# Altium PCB carrier.PcbDoc (part 1 of 3)
Units mm, origin at the board's own origin, x right, y up, seen from the top; angles counter-clockwise.
Board outline 140 x 87 mm, 4 copper layers (Component Side, Power_layer1, Power_layer2, Solder Side), stack 1.674 mm thick; 380 components, 432 nets, 1873 pads, 238 vias.
Unrouted connection lines stored in the file: 867.
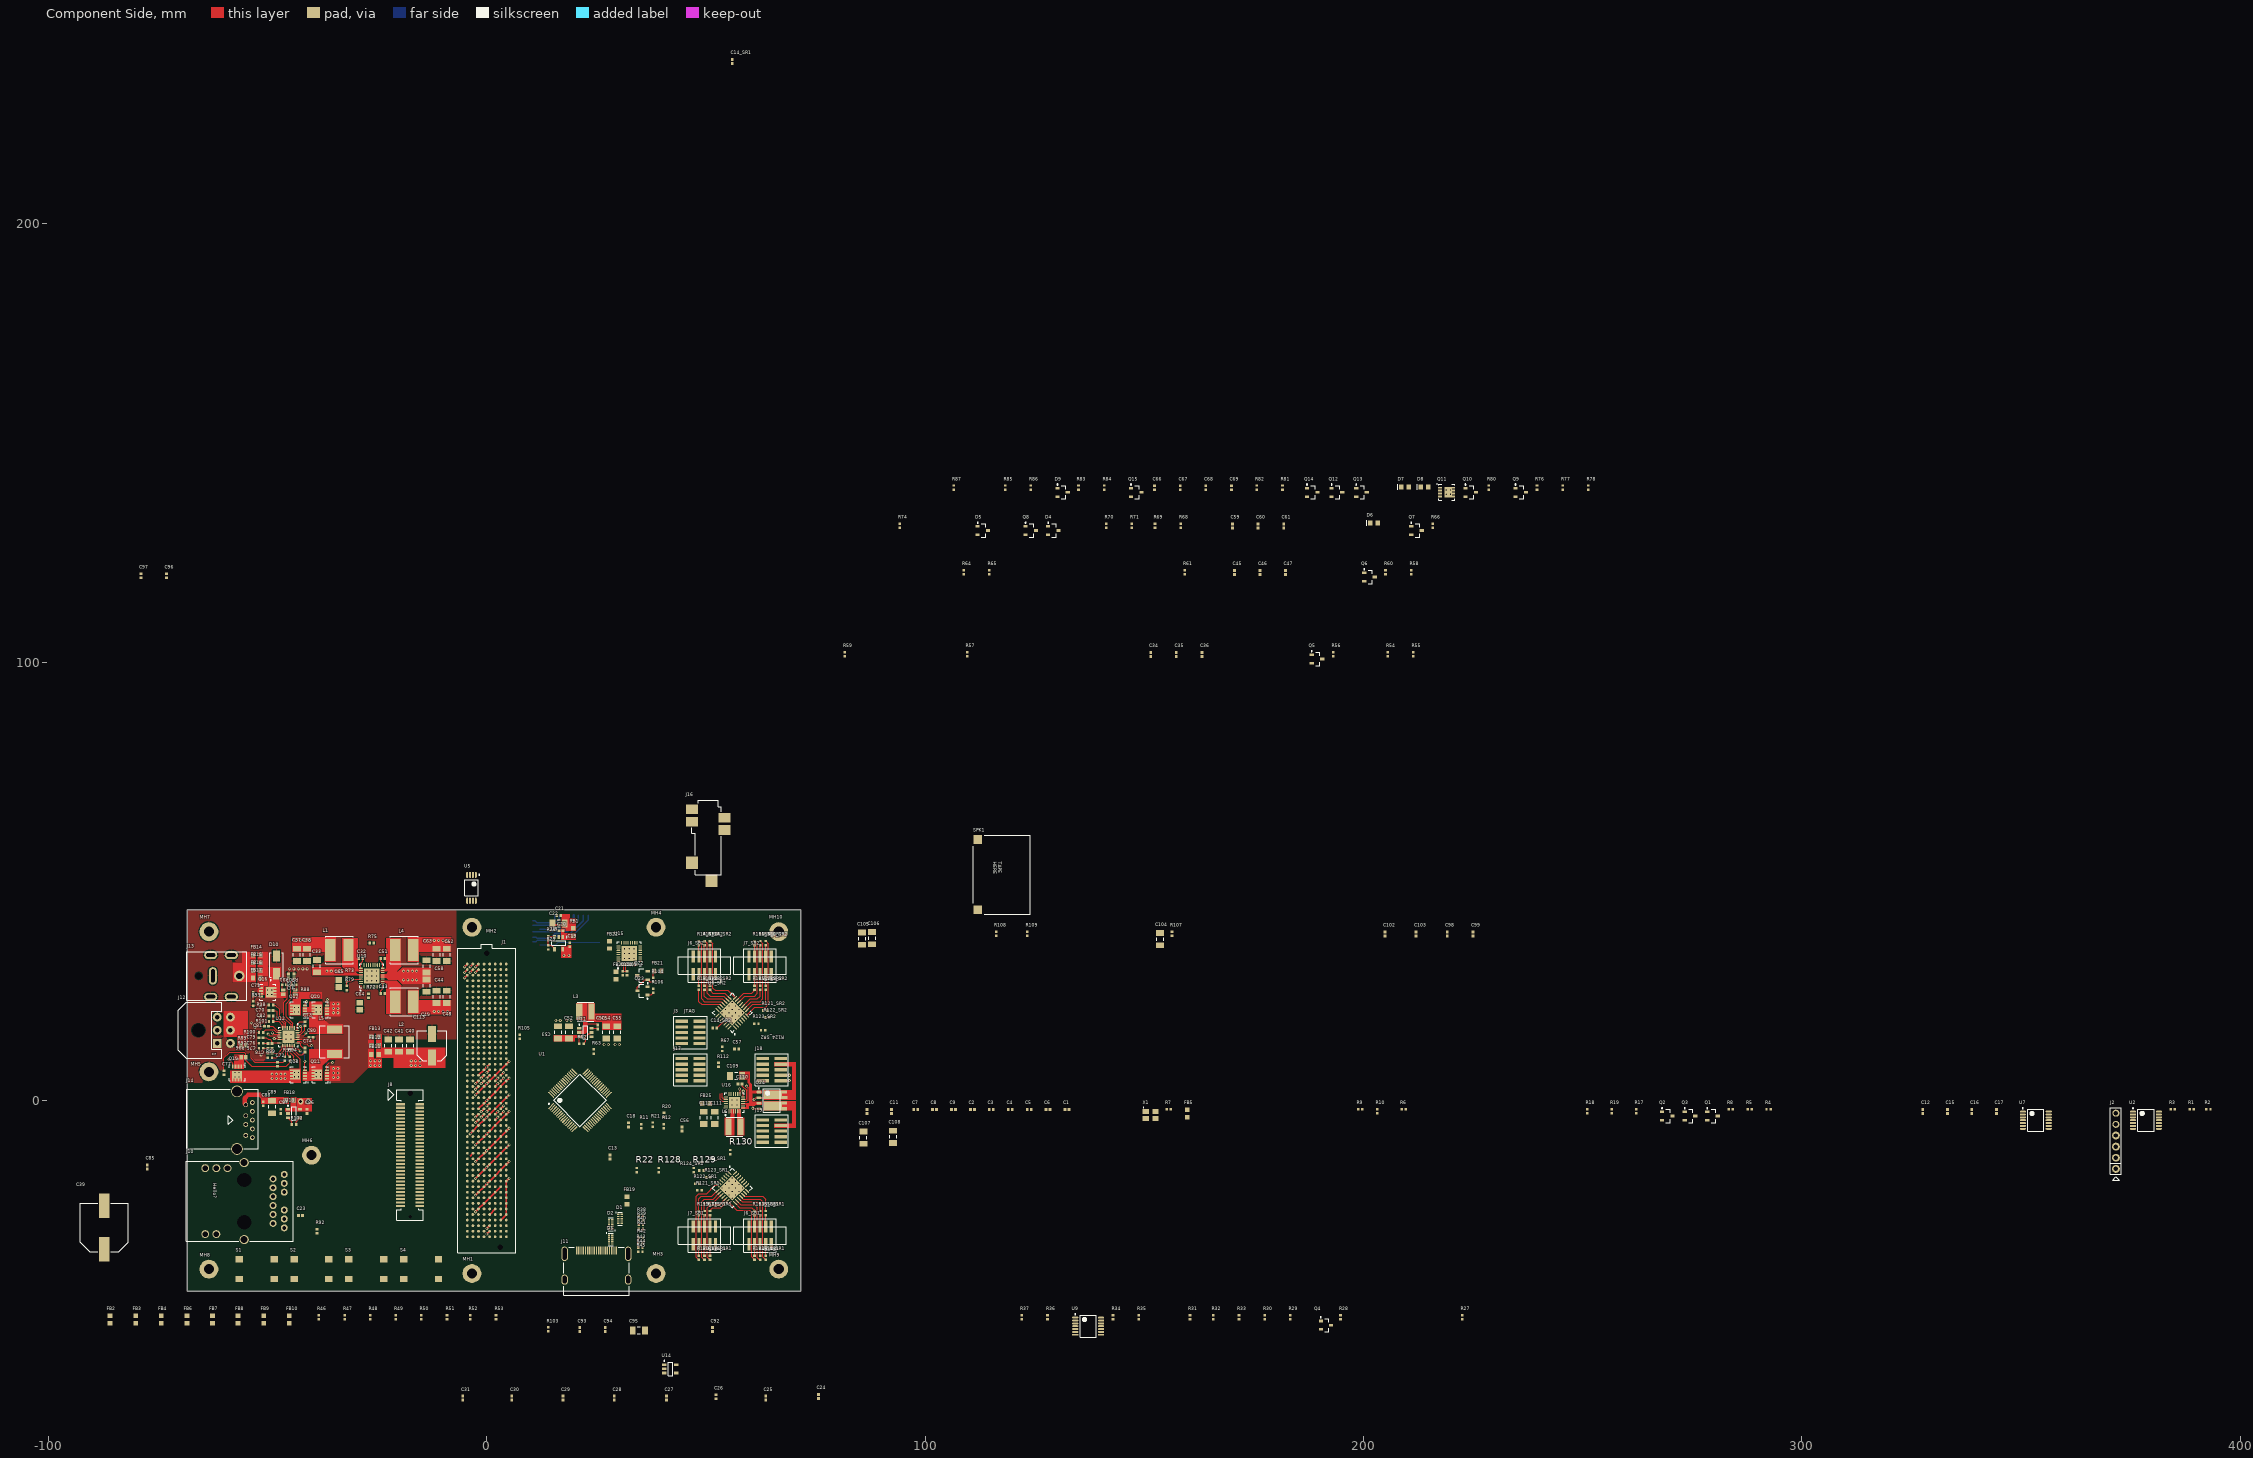
[diagram p0: Component Side view]
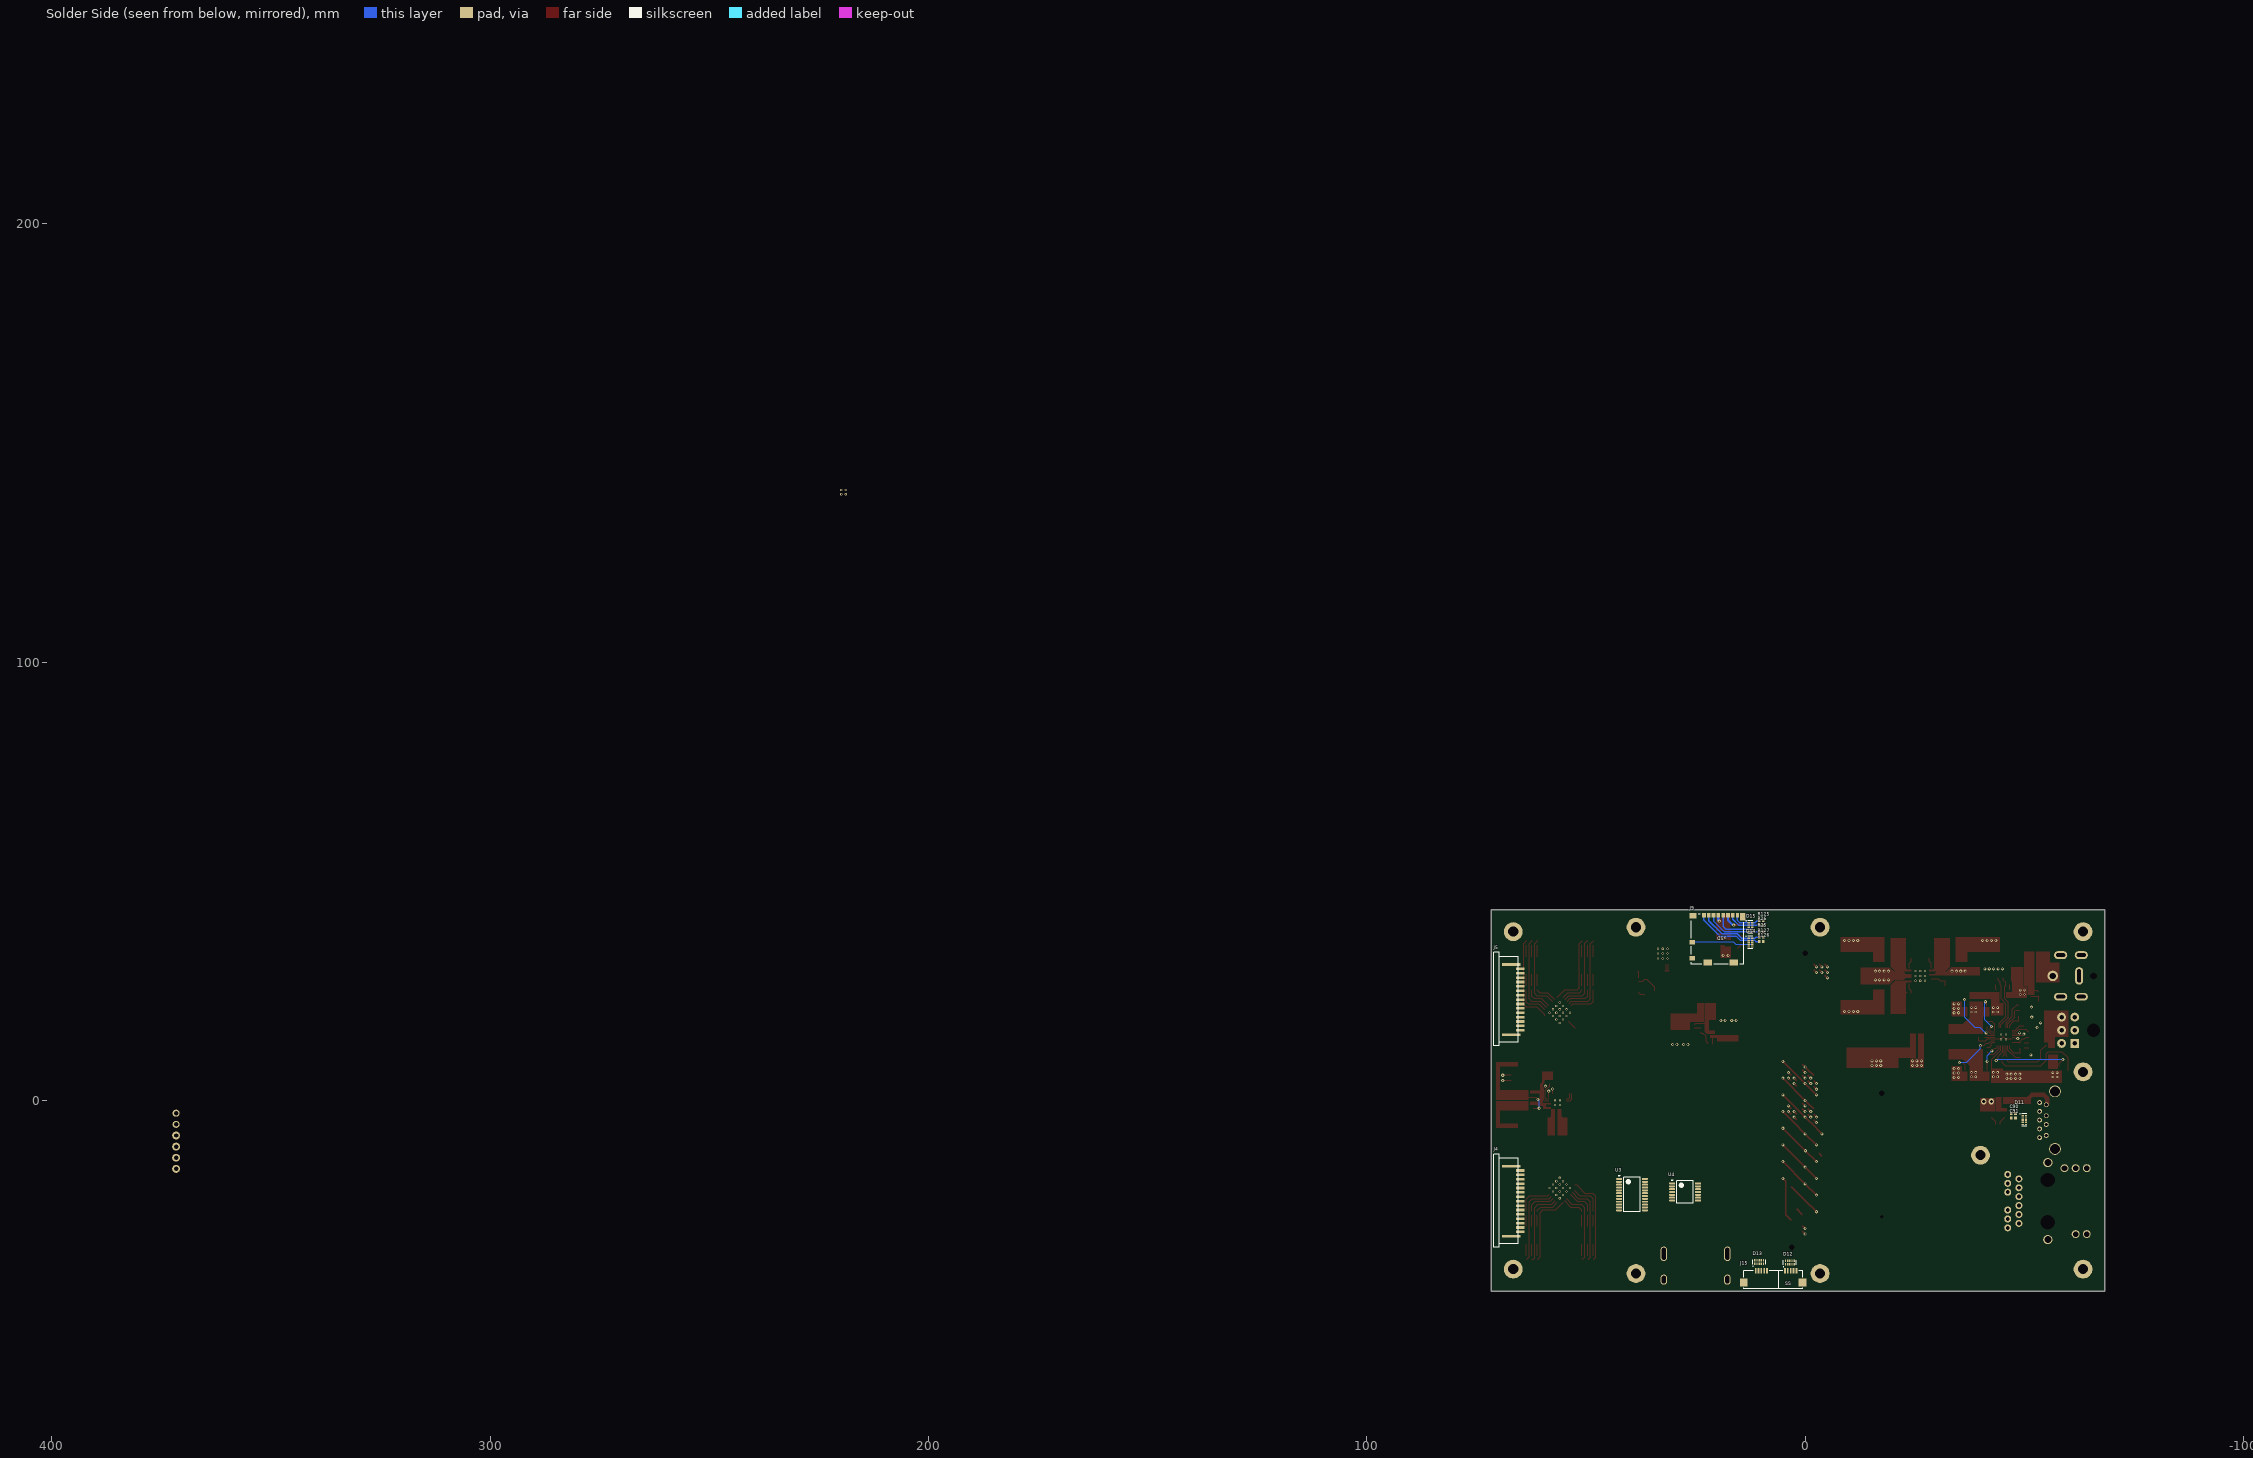
[diagram p1: Solder Side view, seen from below]
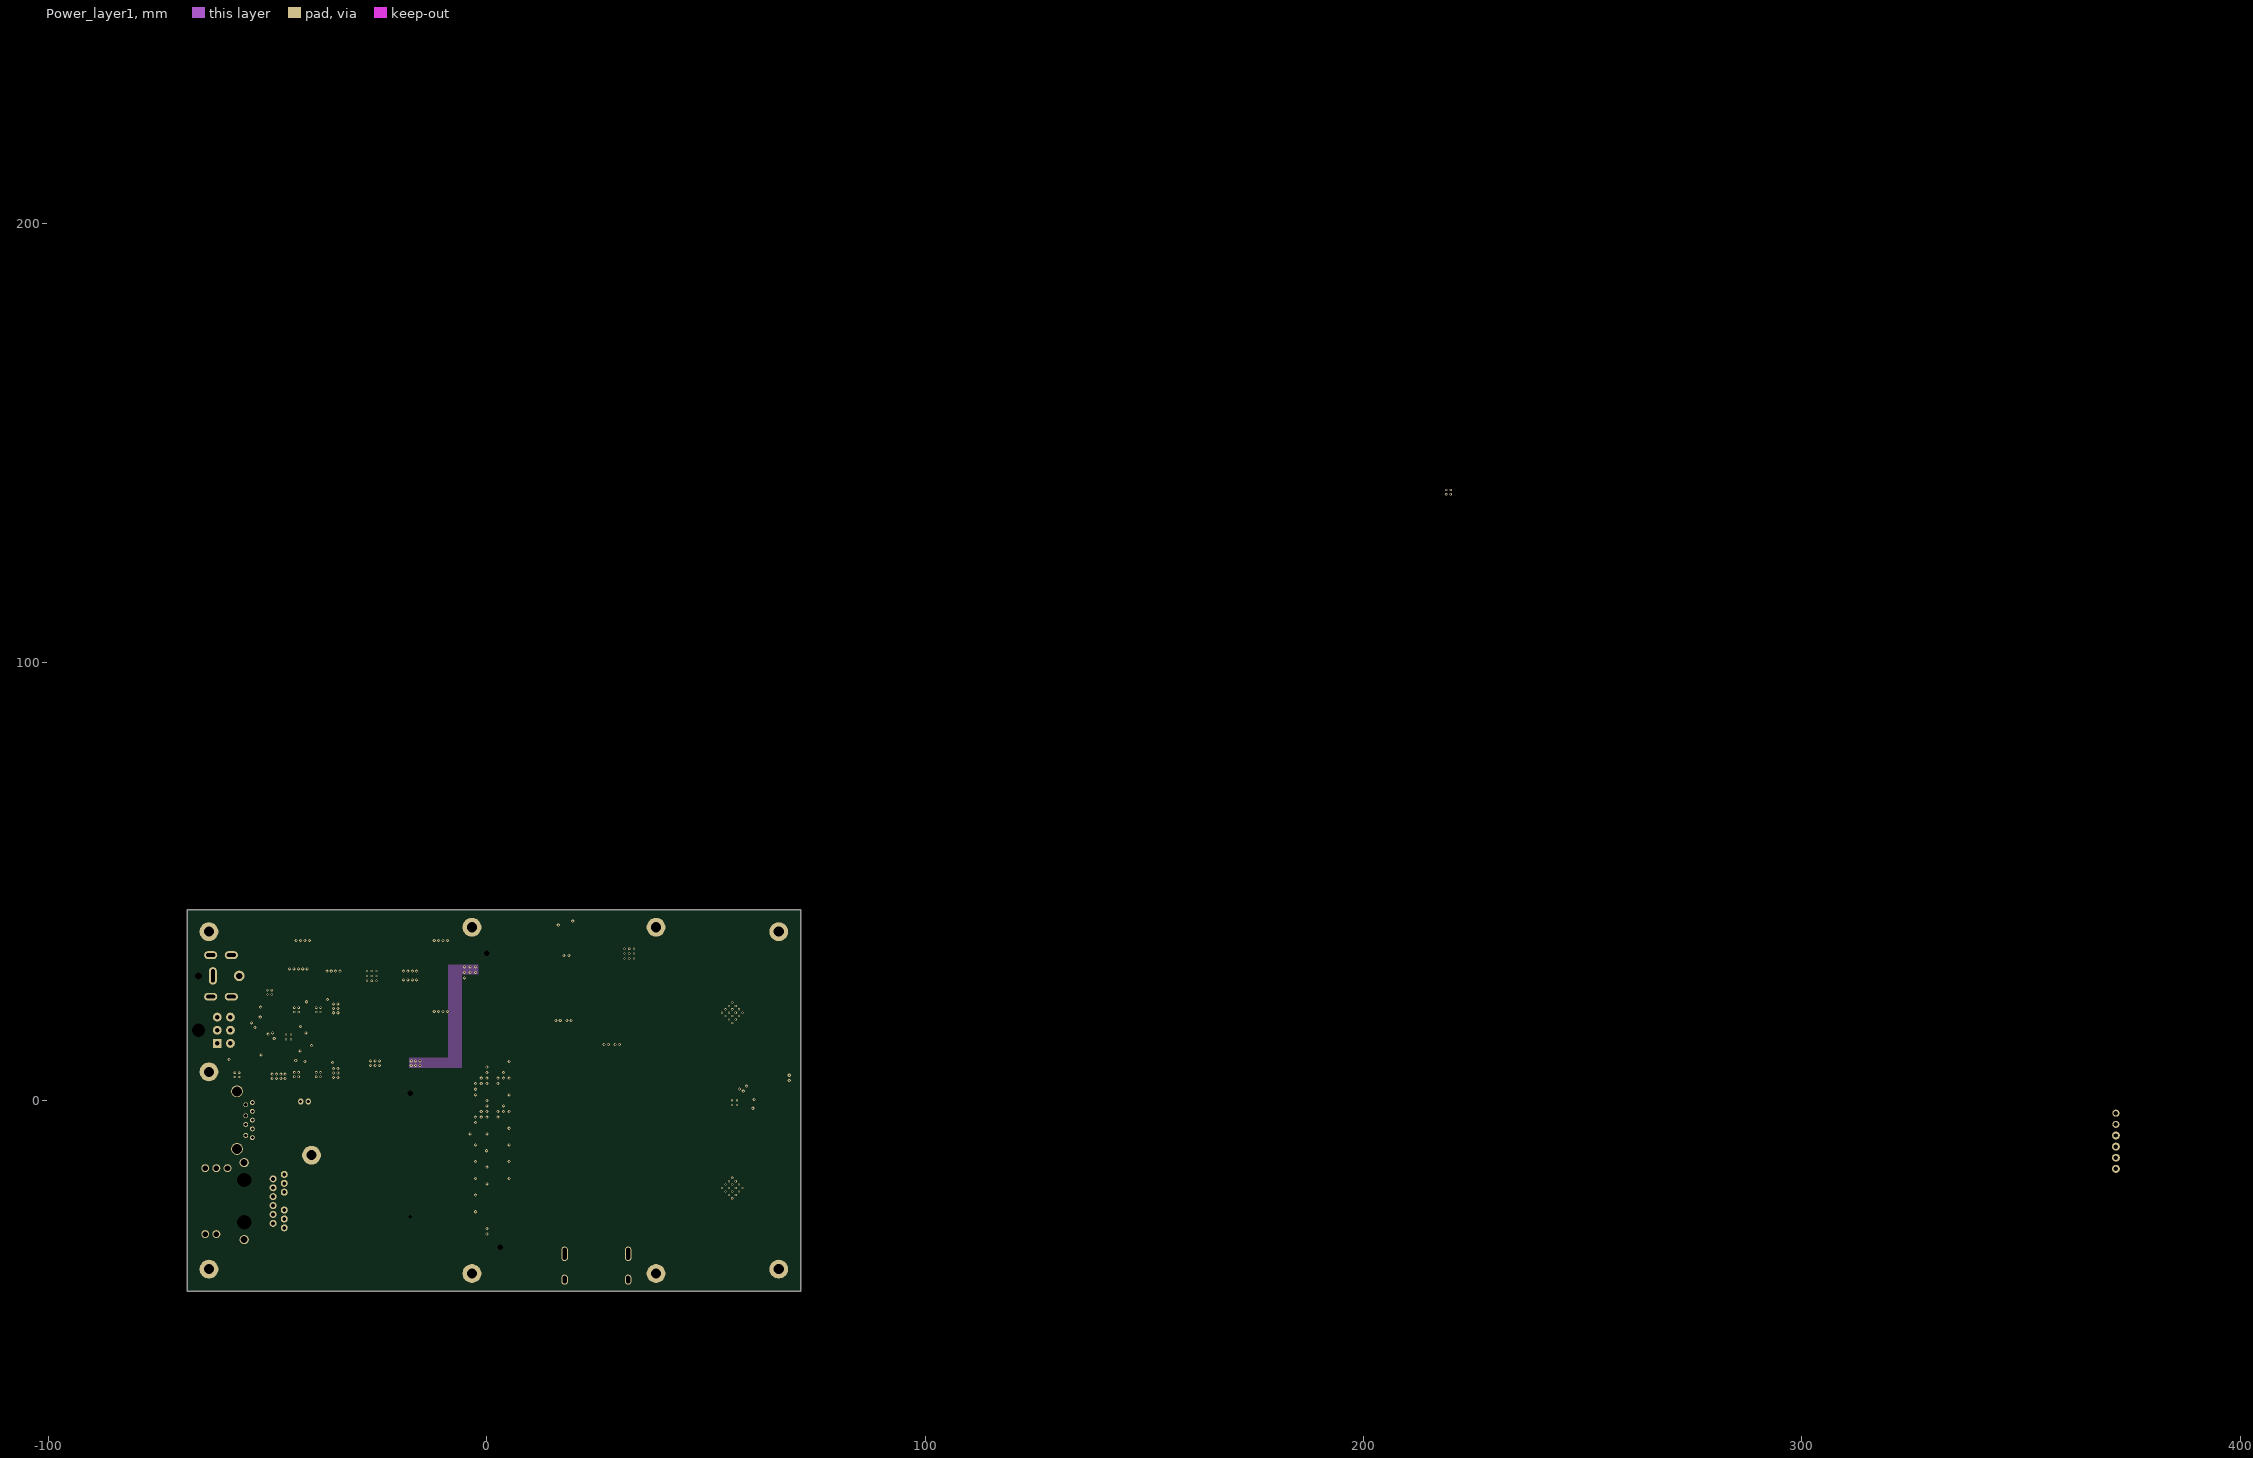
[diagram p2: Power_layer1]
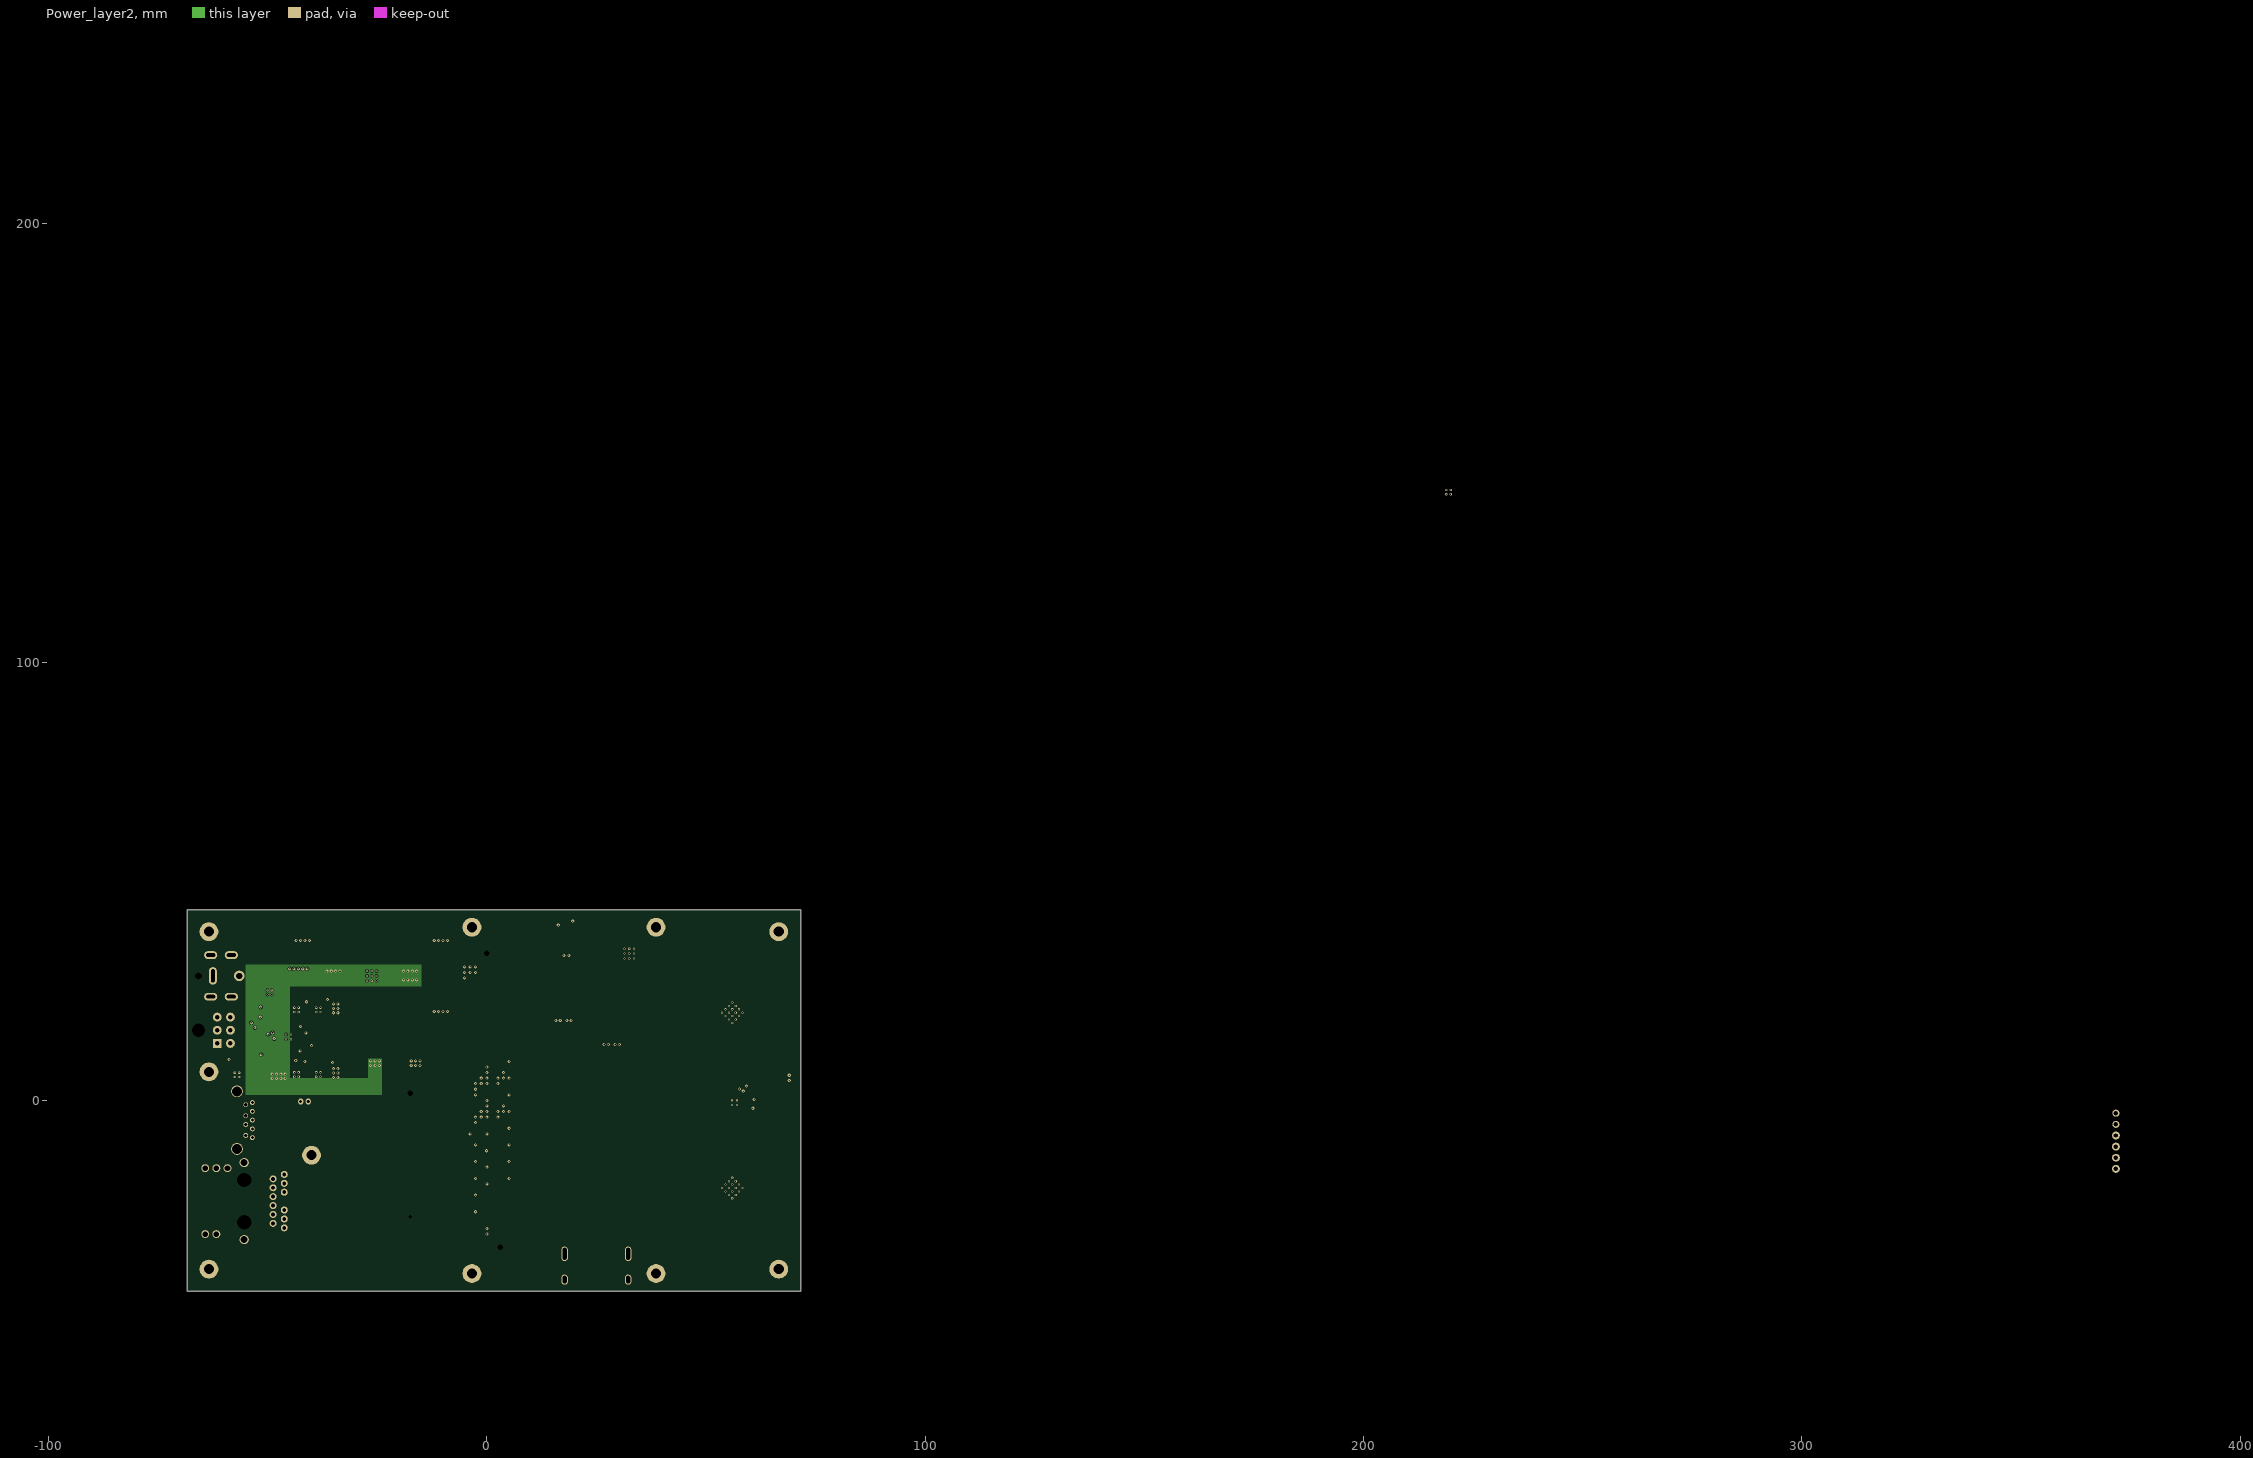
[diagram p3: Power_layer2]

## Layer stack, top to bottom
Top Solder: solder mask 0.0102, Solder Resist, Dk 3.5
Component Side: signal copper 0.035
Dielectric 1: prepreg 0.1702, FR-4, Dk 3.66
Power_layer1: signal copper 0.035
Dielectric 4: core 1.1938, FR-4, Dk 3.66
Power_layer2: signal copper 0.035
Dielectric 3: prepreg 0.1702, FR-4, Dk 3.66
Solder Side: signal copper 0.035
Bottom Solder: solder mask 0.0102, Solder Resist, Dk 3.5

## Board outline
-68.4,-43.5 71.6,-43.5 71.6,43.5 -68.4,43.5

## Design rules (kind name [scope] priority, off if disabled: settings)
Clearance [All] p1: gap=0.127 ignorepadtopadclearanceinfootprint=FALSE
DiffPairsRouting DiffPairsRouting_hdmi [InDifferentialPairClass('hdmi_diff95')] p1: maxlimit=0.254 minlimit=0.152 mostfreqgap=0.241 toplayer_minwidth=0.152 toplayer_maxwidth=0.254 toplayer_prefwidth=0.246 midlayer1_minwidth=0.152 midlayer1_maxwidth=0.254 midlayer1_prefwidth=0.246 midlayer2_minwidth=0.152 midlayer2_maxwidth=0.254 midlayer2_prefwidth=0.246 bottomlayer_minwidth=0.152 bottomlayer_maxwidth=0.254 bottomlayer_prefwidth=0.246 maxuncoupledlength=12.7
DiffPairsRouting DiffPairsRouting_usb3 [InDifferentialPairClass('usb_diff100')] p2: maxlimit=0.254 minlimit=0.127 mostfreqgap=0.178 toplayer_minwidth=0.127 toplayer_maxwidth=0.381 toplayer_prefwidth=0.254 midlayer1_minwidth=0.127 midlayer1_maxwidth=0.381 midlayer1_prefwidth=0.254 midlayer2_minwidth=0.127 midlayer2_maxwidth=0.381 midlayer2_prefwidth=0.254 bottomlayer_minwidth=0.127 bottomlayer_maxwidth=0.381 bottomlayer_prefwidth=0.254 maxuncoupledlength=12.7
DiffPairsRouting DiffPairsRouting_mdi [All] p3: maxlimit=0.508 minlimit=0.152 mostfreqgap=0.178 toplayer_minwidth=0.152 toplayer_maxwidth=0.508 toplayer_prefwidth=0.33 midlayer1_minwidth=0.152 midlayer1_maxwidth=0.508 midlayer1_prefwidth=0.33 midlayer2_minwidth=0.152 midlayer2_maxwidth=0.508 midlayer2_prefwidth=0.33 bottomlayer_minwidth=0.152 bottomlayer_maxwidth=0.508 bottomlayer_prefwidth=0.33 maxuncoupledlength=12.7
DiffPairsRouting DiffPairsRouting_csi [InDifferentialPairClass('csi_diff100')] p4: maxlimit=0.254 minlimit=0.152 mostfreqgap=0.178 toplayer_minwidth=0.152 toplayer_maxwidth=0.381 toplayer_prefwidth=0.33 midlayer1_minwidth=0.152 midlayer1_maxwidth=0.381 midlayer1_prefwidth=0.33 midlayer2_minwidth=0.152 midlayer2_maxwidth=0.381 midlayer2_prefwidth=0.33 bottomlayer_minwidth=0.152 bottomlayer_maxwidth=0.381 bottomlayer_prefwidth=0.33 maxuncoupledlength=12.7
DiffPairsRouting DiffPairsRouting_usb2 [InDifferentialPairClass('usb_diff90')] p5: maxlimit=0.254 minlimit=0.127 mostfreqgap=0.152 toplayer_minwidth=0.127 toplayer_maxwidth=0.381 toplayer_prefwidth=0.343 midlayer1_minwidth=0.127 midlayer1_maxwidth=0.381 midlayer1_prefwidth=0.343 midlayer2_minwidth=0.127 midlayer2_maxwidth=0.381 midlayer2_prefwidth=0.343 bottomlayer_minwidth=0.127 bottomlayer_maxwidth=0.381 bottomlayer_prefwidth=0.343 maxuncoupledlength=12.7
DiffPairsRouting [All] p6: maxlimit=0.254 minlimit=0.127 mostfreqgap=0.254 toplayer_minwidth=0.127 toplayer_maxwidth=0.381 toplayer_prefwidth=0.381 midlayer1_minwidth=0.127 midlayer1_maxwidth=0.381 midlayer1_prefwidth=0.381 midlayer2_minwidth=0.127 midlayer2_maxwidth=0.381 midlayer2_prefwidth=0.381 bottomlayer_minwidth=0.127 bottomlayer_maxwidth=0.381 bottomlayer_prefwidth=0.381 maxuncoupledlength=12.7
HoleSize [All] p1: absolutevalues=TRUE maxlimit=6.3 minlimit=0.2 maxpercent=80.000 minpercent=20.000
PlaneClearance PlaneClearance_usb [InDifferentialPairClass('usb_diff100') or InDifferentialPairClass('usb_diff90')] p1: clearance=1.27
PlaneClearance [All] p2: clearance=0.508
PolygonConnect PolygonConnect_via [IsVia] p1: thpad.connectstyle=Relief thpad.reliefconductorwidth=0.254 thpad.reliefentries=4 thpad.polygonreliefangle="90 Angle" thpad.airgapwidth=0.254 smdpad.connectstyle=Relief smdpad.reliefconductorwidth=0.254 smdpad.reliefentries=4 smdpad.polygonreliefangle="90 Angle" smdpad.airgapwidth=0.254 via.connectstyle=Direct via.reliefconductorwidth=0.254 via.reliefentries=4 via.polygonreliefangle="90 Angle" via.airgapwidth=0.254
PolygonConnect [All] p2: connectstyle=Relief reliefconductorwidth=0.254 reliefentries=4 polygonreliefangle="90 Angle" airgapwidth=0.254
RoomDefinition USB [InComponentClass('USB')] p1 off: confinementstyle=ConfineIn formatcopy=TRUE lockcomponents=FALSE outline -90.766,103.856 59.167,103.856 59.167,123.382 -90.766,123.382
RoomDefinition SR2 [InComponentClass('SR2')] p2 off: confinementstyle=ConfineIn formatcopy=TRUE lockcomponents=FALSE outline 103,205.5 28,205.5 28,232 103,232
RoomDefinition SR1 [InComponentClass('SR1')] p3 off: confinementstyle=ConfineIn formatcopy=TRUE lockcomponents=FALSE outline 112.5,-43.5 79.4,-43.5 79.4,-18.8 112.5,-18.8
RoomDefinition SND [InComponentClass('SND')] p4 off: confinementstyle=ConfineIn formatcopy=TRUE lockcomponents=FALSE outline 72.733,172.187 258.017,172.187 258.017,195.138 72.733,195.138
RoomDefinition PS1 [InComponentClass('PS1')] p5 off: confinementstyle=ConfineIn formatcopy=TRUE lockcomponents=FALSE outline -48.5,54.6 947.376,54.6 947.376,170.937 -48.5,170.937
RoomDefinition NVM [InComponentClass('NVM')] p6 off: confinementstyle=ConfineIn formatcopy=TRUE lockcomponents=FALSE outline -6.9,-35 7.1,-35 7.1,37.5 -6.9,37.5
RoomDefinition M2 [InComponentClass('M2')] p7 off: confinementstyle=ConfineIn formatcopy=TRUE lockcomponents=FALSE outline -63.958,44.799 29.447,44.799 29.447,77.85 -63.958,77.85
RoomDefinition GPIO [InComponentClass('GPIO')] p8 off: confinementstyle=ConfineIn formatcopy=TRUE lockcomponents=FALSE outline 72.733,7 167.313,7 167.313,44.681 72.733,44.681
RoomDefinition ETH [InComponentClass('ETH')] p9 off: confinementstyle=ConfineIn formatcopy=TRUE lockcomponents=FALSE outline -86.936,-73.299 226.83,-73.299 226.83,-45.848 -86.936,-45.848
RoomDefinition carrier [InComponentClass('carrier')] p10 off: confinementstyle=ConfineIn formatcopy=TRUE lockcomponents=FALSE outline 77.143,-19.351 395.034,-19.351 395.034,1.15 77.143,1.15
RoomDefinition CAM0 [InComponentClass('CAM0')] p11 off: confinementstyle=ConfineIn formatcopy=TRUE lockcomponents=FALSE outline 7.882,-43.5 71.6,-43.5 71.6,-17.5 7.882,-17.5
RoutingVias RoutingVias_hdmi [InDifferentialPairClass('hdmi_diff95')] p1: holewidth=0.254 width=0.5 viastyle="Through Hole" minholewidth=0.254 minwidth=0.457 maxholewidth=6.604 maxwidth=1
RoutingVias [All] p2: holewidth=0.35 width=0.7 viastyle="Through Hole" minholewidth=0.2 minwidth=0.55 maxholewidth=1 maxwidth=2
SolderMaskExpansion [All] p1: expansion=0.102
UnRoutedNet [All] p1: checkbadconnections=TRUE
Width Width_50ohm [InNetClass('50ohm')] p1: maxlimit=0.508 minlimit=0.254 preferedwidth=0.343
Width [All] p2: maxlimit=2 minlimit=0.152 preferedwidth=0.203
26 further rules are at their usual default settings.
